# Altium PCB novena_evt1_a.PcbDoc (part 4 of 12) (continued)
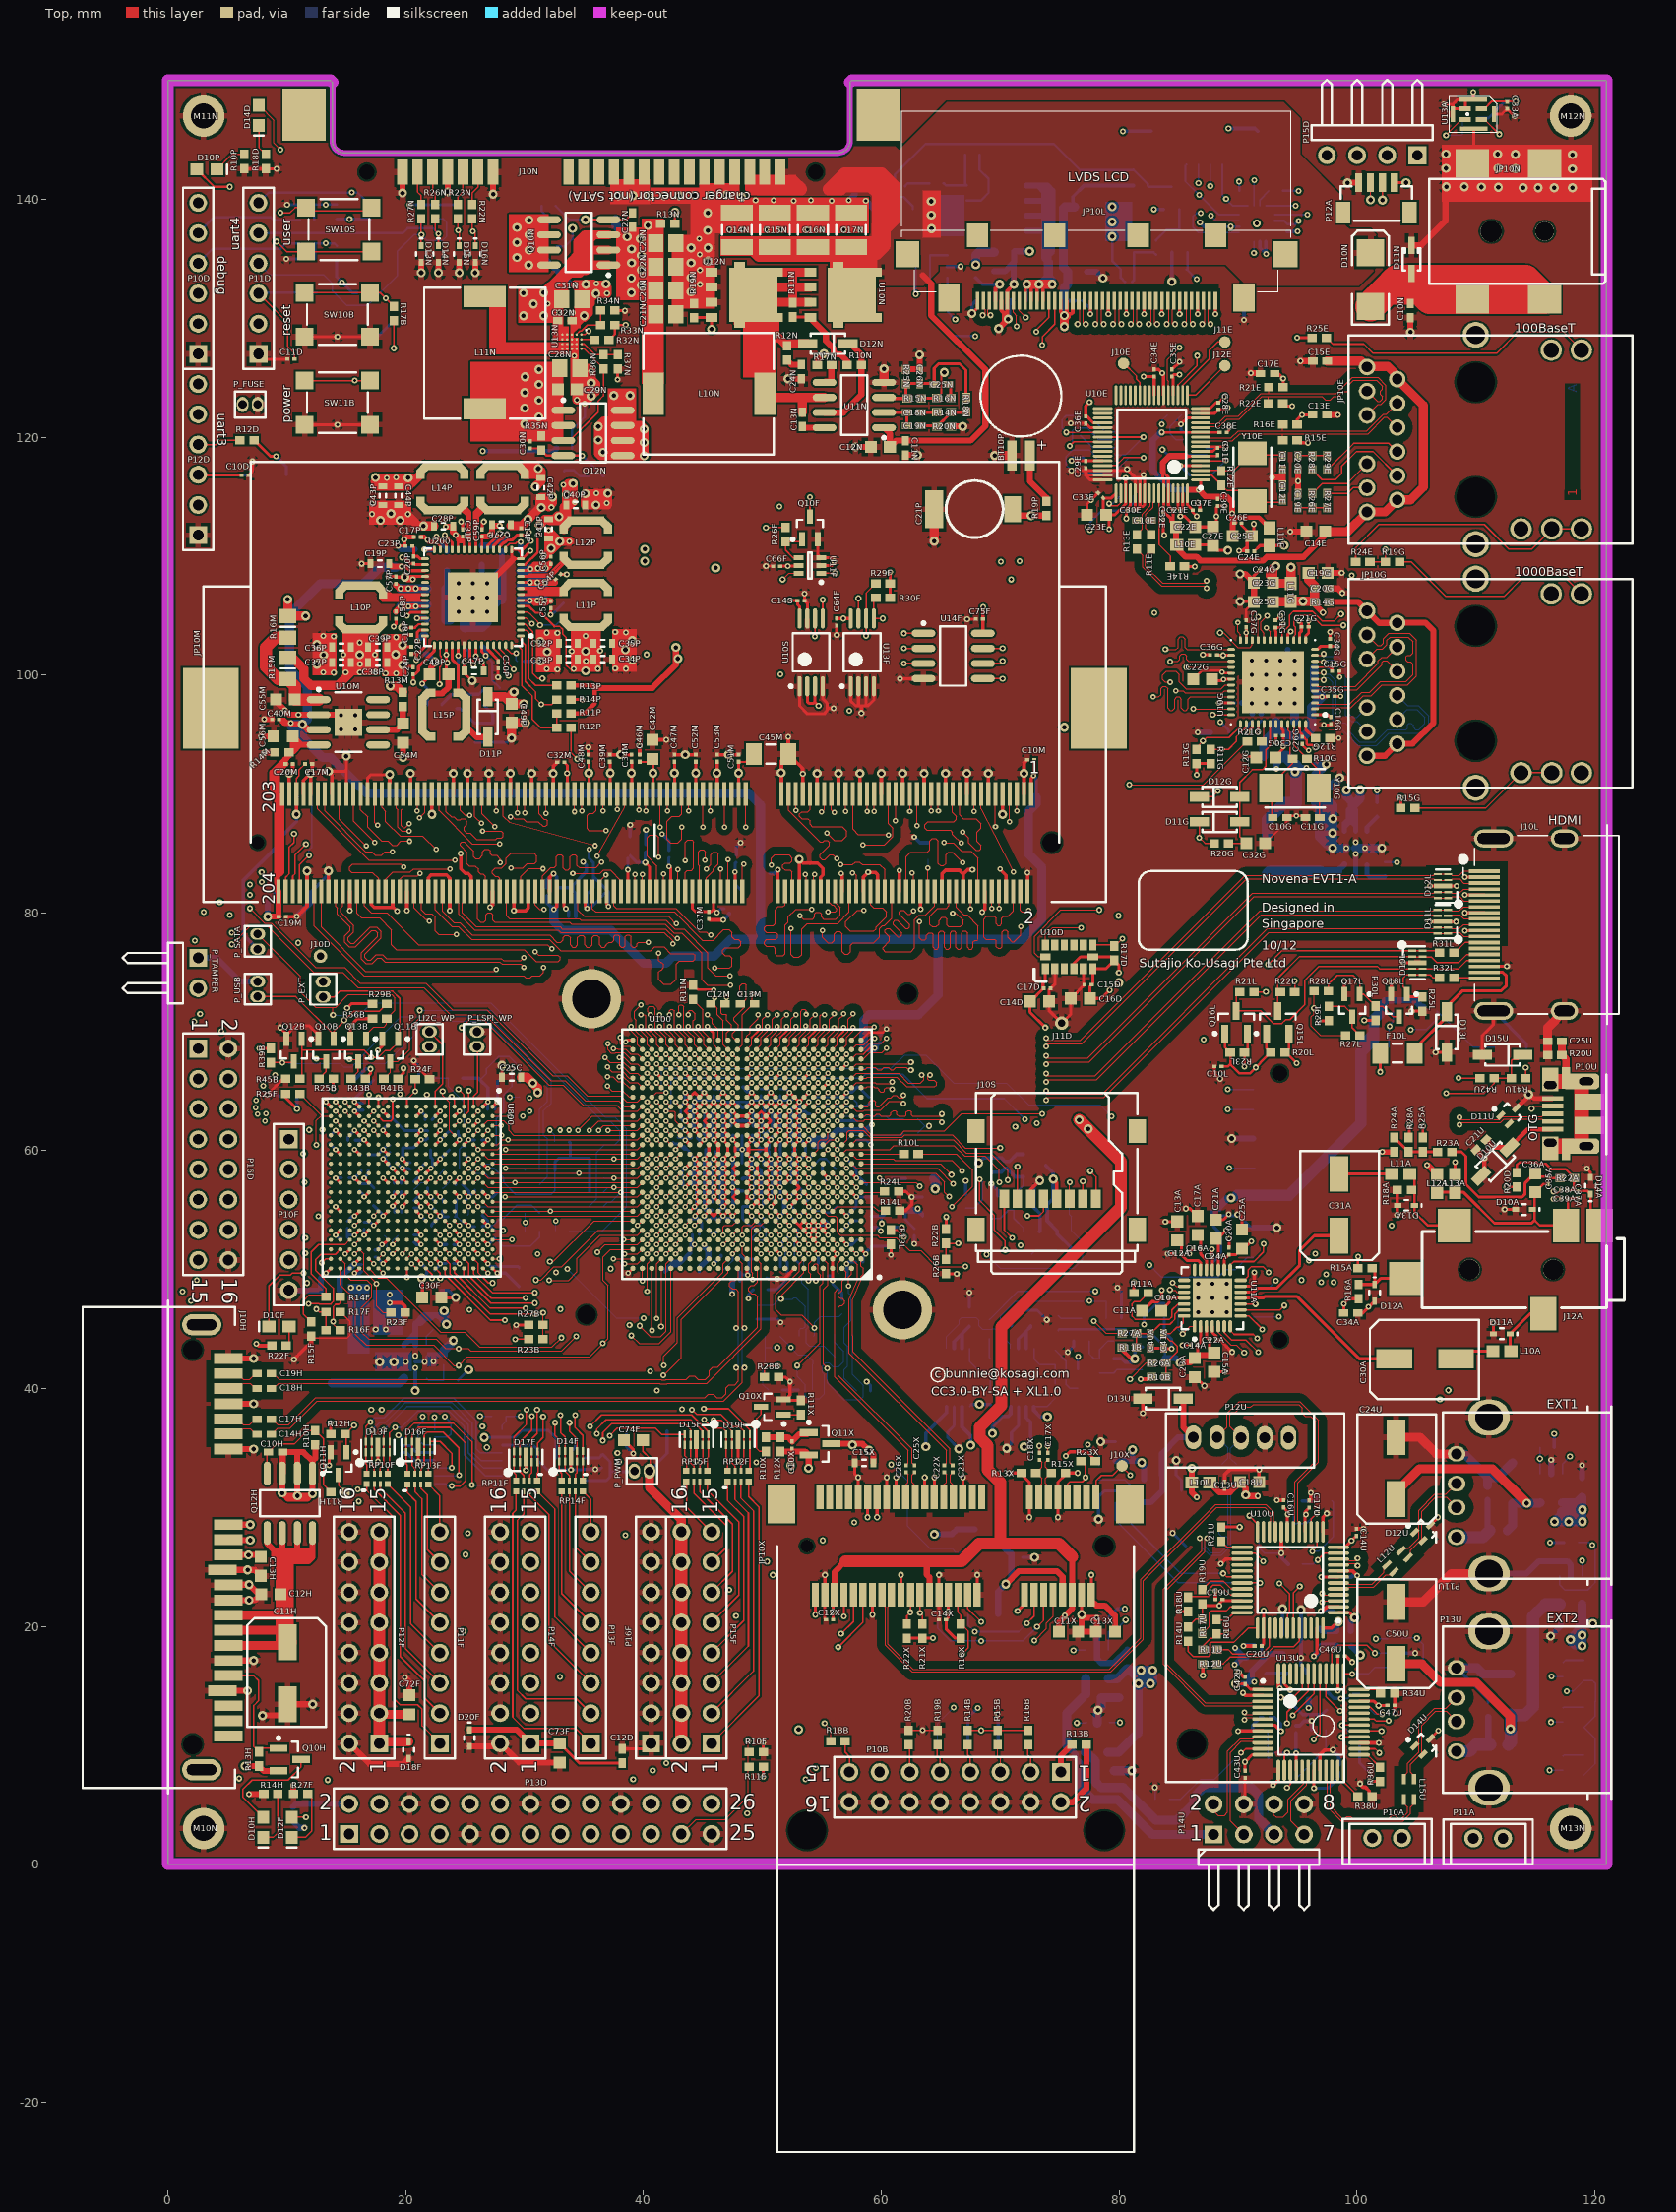
[diagram p0: Top view]
## Nets (pads, with @x,y where several pads share a name; then routed paths per layer and width w, separated by ;. In a path a pad name is that pad's centre, name@x,y a point inside that pad or via, vN(x,y) a via of type N, cw(c..) or ccw(c..) an arc to the next point about the centre after c; other vN are vias at no path point) (continued)
  Top w0.127: R28B.2@50.175,40.95 50.175,41.575 50.475,41.875 v1(51.3,41.875) ; v1(50.295,112.4) R26F.2@51.95,112.4
  L3 w0.102: P_TAMPER.2@2.54,73.66 4.535,73.66 6.425,75.55 9.025,75.55 v1(10.95,77.475)
  L3 w0.127: v1(1.925,47.35) 2.5,46.775 5.025,46.775 6.275,45.525 6.275,41.75 10.3,37.725 17.475,37.725 v1(17.975,38.225)
  L4 w0.102: v1(1.925,47.35) 1.45,47.35 0.697,48.103 0.697,71.817 P_TAMPER.2@2.54,73.66
  L4 w0.127: v1(17.975,38.225) 18.575,38.825 21.475,38.825 22.5,39.85 25.625,39.85 26.3,40.525 41.475,40.525 41.9,40.1 50.075,40.1 51.3,41.325 v1(51.3,41.875)
  L7 w0.127: v2(50.7,52.9) 50.3,52.5 50.3,49.1 49.325,48.125 48.843,48.125 48.431,47.713 48.431,47.219 50.675,44.975 50.675,42.5 v1(51.3,41.875)
  L8 w0.127: v1@10.95,77.5 10.2,78.25 10.2,80.571 9.675,81.096 9.675,85.725 10,86.05 10,88.55 10.725,89.275 12.006,89.275 21.031,98.3 25.15,98.3 27.744,100.894 29.406,100.894 31.25,99.05 32.845,99.05 33.27,99.475 37.731,99.475 37.906,99.65 49.1,99.65 49.85,100.4 49.85,111.955 v1(50.295,112.4)
CPU_TEST_MODE: R23B.1 R27B.2 U100.E12 | length 25.1
  Top w0.102: R23B.1@31.55,44.15 v1(31.55,46.375) ; U100.E12@49.5,53.3 v2(49.9,52.9)
  L4 w0.102: v1(31.55,46.375) 31.55,47.45 33.487,49.388 34.863,49.388 37.375,51.9 38.619,51.9 40,53.281 44.594,53.281 45.356,52.519 49.519,52.519 v2(49.9,52.9)
CPU_XTALI: C11B.1 R32B.1 R33B.1 U100.A7 Y10B.2 | length 10.8
  Top w0.102: v1(51.575,47.525) 51.575,47.8 53.5,49.725 U100.A7@53.5,50.1
  Bot w0.102: C11B.1@49.55,47.025 50.925,47.025 51.425,47.525 v1(51.575,47.525) 52.55,47.525 Y10B.2@52.675,47.65 52.825,47.65 53.6,46.875 53.6,45.2 53.45,45.05 53.25,45.05 53.1,44.9 R32B.1@53.1,44.4
CPU_XTALO: C12B.1 R32B.2 U100.B7 Y10B.1 | length 13
  Top w0.102: U100.B7@53.5,50.9 53.1,50.5 53.1,49.85 51.125,47.875 51.125,46.625 51.575,46.175 53.3,46.175 v1(54.375,45.1)
  Bot w0.102: R32B.2@54.3,44.4 54.375,44.475 v1(54.375,45.1) 54.375,45.55 Y10B.1@54.875,46.05 56.45,46.05 C12B.1@56.7,46.3
CSI_REXT: R13L.1 U100.D4 | length 8.1
  Top w0.102: U100.D4@55.9,52.5 v2(56.3,52.1)
  Top w0.127: R13L.1@60.825,53.325 61.325,53.325 v1(61.9,52.75)
  L8 w0.127: v2(56.3,52.1) 56.694,52.494 57.6,52.494 57.994,52.1 61.25,52.1 v1(61.9,52.75)
DDC_SCL: P13D.5 Q15L.2 R20L.2 U100.E22 U200.54 U800.U17 | length 376.6
  Top w0.102: U800.U17@14.5,50.9 14.925,50.475 14.925,49.55 15.35,49.125 16.738,49.125 17.156,48.706 17.156,47.681 16.275,46.8 16.275,44.75 16.875,44.15 22.55,44.15 23.35,43.35 v1(24.45,43.35) 25.25,43.35 25.45,43.15 33.1,43.15 v1(34.325,44.375) ; v2(41.1,52.9) U100.E22@41.5,53.3
  Top w0.127: U200.54@27.9,102.5 27.9,102.2 28.675,101.425 28.675,100.875 v1(29.075,100.475)
  Top w0.203: Q15L.2@94.3,69.85 94.3,68.6 R20L.2@93.95,68.25 94.025,68.25 v1(94.925,67.35)
  L3 w0.102: P13D.5@20.32,2.54 19,3.86 19,5.625 18.025,6.6 15.825,6.6 13.75,8.675 13.75,30.725 15.175,32.15 15.175,33.85 16.05,34.725 19.3,34.725 20.225,35.65 20.225,37.6 21.5,38.875 22.225,38.875 23.75,40.4 23.75,42.65 v1(24.45,43.35)
  L4 w0.102: v1(34.325,44.375) 33.325,45.375 33.05,45.375 32.225,46.2 32.225,47.425 33.5,48.7 38.5,48.7 39.3,49.5 39.3,51.975 39.844,52.519 40.719,52.519 v2(41.1,52.9)
  L7 w0.102: P13D.5@20.32,2.54 19.235,3.625 17.025,3.625 16.575,3.175 16.575,2.175 16.913,1.837 ; v1@29.11,100.475 27.8,100.475 26.8,99.475 26.8,95.679 25.971,94.85 19.021,94.85 14.596,90.425 5.975,90.425 1.775,86.225 1.775,80.075 1.1,79.4 1.1,49.1 3.115,47.085 3.69,47.085 5.085,45.69 5.085,5.99 9.6,1.475 16.55,1.475 16.913,1.837 ; v1(53.625,7.125) 47.65,1.15 17.6,1.15 16.913,1.837
  L8 w0.127: v1(53.625,7.125) 54.975,7.125 55.475,7.625 55.475,8.4 54.775,9.1 53.925,9.1 52.375,10.65 52.375,12.075 53.45,13.15 61,13.15 62.35,14.5 77.725,14.5 83.8,20.575 83.8,37.975 94.225,48.4 94.225,51.575 90.9,54.9 90.9,61.425 94.925,65.45 v1(94.925,67.35)
DDC_SCL_HV: D10L.2 D10L.9 J10L.15 Q15L.3 R22L.2 | length 21.4
  Top w0.127: Q15L.3@93.35,71.75 93.35,74.5 95.15,76.3 D10L.2@104.663,76.3 104.687,76.275 106.275,76.275 106.75,75.8 108.55,75.8 109.25,76.5 J10L.15@110.74,76.5
DDC_SDA: P13D.3 Q16L.2 R23L.2 U100.C25 U200.53 U800.U18 | length 356.7
  Top w0.102: U800.U18@14.5,50.1 14.5,48.725 15.775,47.45 15.775,44.543 16.668,43.65 22.343,43.65 24.068,41.925 v1(24.45,41.925) 25.175,42.65 35.475,42.65 37.025,44.2 37.025,48.675 36.6,49.1 36.6,51.075 37.225,51.7 U100.C25@39.1,51.7
  Top w0.127: U200.53@27.4,102.5 27.4,102.225 28.325,101.3 28.325,100.25 v1(28.65,99.925)
  Top w0.203: v1(90.55,67.075) R23L.2@90.55,68.25 90.8,68.5 Q16L.2@90.8,69.85
  L3 w0.102: v1(5.975,7.2) 12.175,7.2 13.4,8.425 ; P13D.3@17.78,2.54 16.45,3.87 16.45,5.375 13.4,8.425 ; v1(24.45,41.925) 25.025,42.5 25.025,44.3 24.575,44.75 23.85,44.75 23.075,43.975 23.075,40.4 21.9,39.225 21.2,39.225 19.925,37.95 19.925,35.875 19.25,35.2 15.975,35.2 14.825,34.05 14.825,32.295 13.4,30.87 13.4,8.425
  L7 w0.102: v1(5.975,7.2) 5.35,7.825 5.35,45.8 3.8,47.35 3.225,47.35 1.35,49.225 1.35,79.296 2.025,79.971 2.025,86.121 6.079,90.175 14.7,90.175 19.125,94.6 26.075,94.6 27.05,95.575 27.05,98.325 v1@28.675,99.95 ; P13D.3@17.78,2.54 18.87,1.45 47.575,1.45 50.025,3.9 50.025,5.198 52.902,8.075 v1(54.5,8.075)
  L8 w0.127: v1(54.5,8.075) 53.65,8.075 52,9.725 52,12.525 54.325,14.85 77.58,14.85 83.45,20.72 83.45,38.12 93.875,48.545 93.875,51.43 90.55,54.755 v1(90.55,67.075)
  other v1: 36.575,43.8
DDC_SDA_HV: D10L.4 D10L.7 J10L.16 Q16L.3 R21L.2 | length 26.6
  Top w0.127: R21L.2@90.15,73.35 89.85,73.05 Q16L.3@89.85,71.75 91.925,71.75 92.975,70.7 93.7,70.7 94.025,71.025 94.375,71.025 95.625,72.275 95.625,74.3 96.825,75.5 101.725,75.5 101.925,75.3 D10L.4@104.663,75.3 D10L.7@105.538,75.3 108.55,75.3 109.25,76 J10L.16@110.74,76
DDR3_A0: JP10M.98 U100.AC14 | length 28.2
  Top w0.096: JP10M.98@41.102,81.814 41.102,83.948 40.3,84.75 40.3,86.325 40.525,86.55 41.05,86.55 41.257,86.343 v2(41.257,84.695) v2@41.257,84.67 ; v2(47.5,68.1) U100.AC14@47.9,67.7
  L7 w0.096: v2@41.257,84.67 41.304,84.622 41.304,82.971 41.95,82.325 42.158,82.325 42.484,81.999 42.646,81.999 45.046,79.6 45.875,79.6 47.124,78.351 47.124,75.401 47.708,74.817 47.708,72.325 47.505,72.122 47.505,68.105 v2(47.5,68.1)
DDR3_A1: JP10M.97 U100.AB14 | length 28.2
  Top w0.096: v2(41.402,87.22) JP10M.97@41.402,90.014 ; v2(47.5,67.3) U100.AB14@47.9,66.9
  L7 w0.096: v2(41.402,87.22) 40.845,87.22 40.672,87.047 40.672,82.228 41.125,81.775 42.282,81.775 42.359,81.698 42.521,81.698 44.994,79.225 45.7,79.225 46.819,78.106 46.819,73.781 47.403,73.197 47.403,72.579 47.048,72.224 47.048,68.291 47.081,68.258 47.081,67.942 47.048,67.909 47.048,67.753 v2(47.5,67.3)
DDR3_A2: JP10M.96 U100.AA14 | length 28.5
  Top w0.096: JP10M.96@41.702,81.814 v2(41.702,83.284) ; v2(47.5,66.5) U100.AA14@47.9,66.1
  L7 w0.096: v2(41.702,83.284) 41.7,83.286 41.7,85.75 41.85,85.9 42.15,85.9 42.3,85.75 42.3,85.125 42.509,84.916 42.509,83.291 42.631,83.169 42.631,82.441 44.622,80.45 46.375,80.45 47.48,79.345 47.48,75.52 48.212,74.788 48.212,74.184 48.521,73.875 48.521,72.59 47.951,72.02 47.951,66.952 v2(47.5,66.5)
DDR3_A3: JP10M.95 U100.Y14 | length 30.1
  Top w0.096: v2(42.002,88.58) JP10M.95@42.002,90.014 ; v2(47.5,65.7) U100.Y14@47.9,65.3
  L8 w0.096: v2(42.002,88.58) 42.28,88.302 43.009,88.302 44.625,86.686 44.625,82.724 50.02,77.329 50.02,71.081 49.766,70.827 49.054,70.827 48.419,70.192 48.419,66.61 47.509,65.7 v2(47.5,65.7)
DDR3_A4: JP10M.92 U100.W14 | length 28.3
  Top w0.096: JP10M.92@42.9,81.8 42.9,83.658 v2(42.902,83.659) ; v2(47.5,64.9) U100.W14@47.9,64.5
  L7 w0.096: v2(42.902,83.659) 42.933,83.628 42.933,82.688 44.863,80.758 46.567,80.758 48.425,78.9 48.425,78.475 48.225,78.275 48.075,78.275 47.9,78.1 47.9,77.925 48.05,77.775 48.45,77.775 48.55,77.675 48.55,77.434 48.391,77.275 47.987,77.275 47.781,77.07 47.781,76.795 47.987,76.589 48.391,76.589 48.597,76.384 48.597,76.109 48.391,75.904 48.209,75.904 48.003,75.698 48.003,75.424 48.597,74.829 48.597,74.738 49.562,73.773 49.562,73.011 48.3,71.749 48.3,65.678 47.522,64.9 v2(47.5,64.9)
DDR3_A5: JP10M.91 U100.AE13 | length 28.3
  Top w0.096: v2(43.202,87.22) 43.202,86.202 42.875,85.875 42.25,85.875 41.975,86.15 41.975,87.7 42.4,88.125 43.025,88.125 43.202,88.302 JP10M.91@43.202,90.014 ; U100.AE13@48.7,69.3 48.7,69.634 48.953,69.887 48.953,70.446 49.628,71.121 v2(49.628,71.448)
  L8 w0.096: v2(43.202,87.22) 44.25,86.172 44.25,82.6 49.628,77.222 49.628,73.54 49.715,73.454 49.715,72.924 49.628,72.837 v2(49.628,71.448)
DDR3_A6: JP10M.90 U100.AC13 | length 28.3
  Top w0.096: JP10M.90@43.502,81.814 43.502,83.4 43.677,83.575 44.05,83.575 44.225,83.75 44.225,85.975 44.075,86.125 43.725,86.125 43.502,85.902 v2(43.502,84.406) ; U100.AC13@48.7,67.7 v2(49.1,68.1)
  L7 w0.096: v2(43.502,84.406) 43.825,84.082 43.825,82.914 45.067,81.672 46.946,81.672 49.385,79.234 49.385,74.941 50.197,74.129 50.197,72.757 49.1,71.66 v2(49.1,68.1)
DDR3_A7: JP10M.86 U100.Y13 | length 28.8
  Top w0.096: JP10M.86@44.702,81.814 44.702,83.924 44.625,84.001 44.625,85.15 44.775,85.3 45.025,85.3 45.194,85.131 v2@45.194,84.416 ; U100.Y13@48.7,65.3 v2(49.1,65.7)
  L7 w0.096: v2@45.194,84.416 44.787,84.009 44.787,83.044 45.219,82.612 47.276,82.612 49.994,79.894 49.994,75.781 50.95,74.825 50.95,71.875 50.809,71.734 50.809,70.092 49.486,68.769 49.486,66.086 v2(49.1,65.7)
  other v2: 45.168,84.416
DDR3_A8: JP10M.89 U100.AB13 | length 28.4
  Top w0.096: v2(43.802,88.58) JP10M.89@43.802,90.014 ; U100.AB13@48.7,66.9 v2(49.1,67.3)
  L7 w0.096: v2(43.802,88.58) 42.628,87.407 42.628,85.65 43,85.278 43,84.196 43.416,83.781 43.416,82.79 44.889,81.317 46.616,81.317 48.953,78.98 48.953,74.891 49.893,73.951 49.893,72.884 48.719,71.71 48.719,67.677 49.096,67.3 v2(49.1,67.3)
DDR3_A9: JP10M.85 U100.AE12 | length 28.8
  Top w0.096: v2(45.002,87.22) JP10M.85@45.002,90.014 ; U100.AE12@49.5,69.3 49.5,69.52 50.023,70.043 50.023,71.042 v2(50.428,71.448)
  L8 w0.096: v2(45.002,87.22) 45.002,85.801 45.222,85.581 45.513,85.581 46.12,86.188 46.411,86.188 46.605,85.994 46.605,85.703 45.852,84.951 45.549,84.647 45.549,84.356 45.743,84.162 46.034,84.162 46.192,84.32 46.63,84.32 47.215,83.735 47.215,83.034 47.009,82.829 46.151,82.829 45.945,82.623 45.945,82.349 46.151,82.143 47.009,82.143 47.215,81.937 47.215,81.585 50.675,78.125 50.675,74.53 50.428,74.283 v2(50.428,71.448)
DDR3_A10: JP10M.107 U100.AA15 | length 30.3
  Top w0.096: v2(36.1,84.775) 38.402,88.875 JP10M.107@38.402,90.014 ; v2(46.7,66.5) U100.AA15@47.1,66.1
  L7 w0.096: v2(36.1,84.775) 36.094,84.769 36.094,81.2 40.977,74 40.977,70.325 42.319,68.22 42.319,67.942 42.542,67.719 42.82,67.719 43.081,67.458 43.081,67.402 43.119,67.364 43.119,67.142 43.342,66.919 46.281,66.919 v2(46.7,66.5)
DDR3_A11: JP10M.84 U100.AC12 | length 29.1
  Top w0.096: v2(45.275,83.675) 45.65,84.05 45.65,84.875 45.875,85.1 46.175,85.1 46.3,84.975 46.3,84.1 45.875,83.675 45.875,83.525 45.3,82.95 JP10M.84@45.3,81.8 ; U100.AC12@49.5,67.7 v2(49.9,68.1)
  L7 w0.096: v2(45.275,83.675) 45.65,84.05 45.65,84.675 45.975,85 46.325,85 46.525,84.8 46.525,84.375 46,83.85 46,83.575 46.375,83.2 47.298,83.2 50.324,80.174 50.324,76.694 51.609,75.409 51.609,70.274 51.386,70.051 51.352,70.051 49.9,68.599 v2(49.9,68.1)
DDR3_A12: JP10M.83 U100.AD12 | length 28.9
  Top w0.096: v2(45.602,88.58) JP10M.83@45.602,90.014 ; U100.AD12@49.5,68.5 49.9,68.9 49.9,69.523 50.428,70.051 v2(50.428,70.432)
  L7 w0.096: v2(45.602,88.58) 44.63,88.58 44.3,88.25 44.3,86.779 43.925,86.404 43.288,86.404 43.083,86.198 43.083,85.924 43.288,85.718 44.094,85.718 44.3,85.512 44.3,83.023 45.168,82.155 47.022,82.155 49.689,79.488 49.689,75.286 50.6,74.375 50.6,72.347 50.045,71.792 50.045,70.815 v2(50.428,70.432)
DDR3_A13: JP10M.119 U100.AC17 | length 29.8
  Top w0.096: v2(34.802,88.58) JP10M.119@34.802,90.014 ; v2(45.1,68.1) U100.AC17@45.5,67.7
  L8 w0.096: v2(34.802,88.58) 34.802,87.034 34.925,86.911 34.925,84.905 35.719,84.111 35.719,83.313 35.925,83.107 35.999,83.107 36.205,82.901 36.205,82.627 35.999,82.421 34.999,82.421 34.793,82.216 34.793,81.941 34.999,81.736 35.514,81.736 35.719,81.53 35.719,78.422 41.486,72.655 42.806,72.655 43.633,71.829 43.93,71.829 44.153,71.606 44.153,70.274 ; 44.152,70.273 44.152,69.048 v2(45.1,68.1)
DDR3_A14: JP10M.80 U100.AA12 | length 28.3
  Top w0.096: JP10M.80@46.502,81.814 v2(46.502,83.692) ; U100.AA12@49.5,66.1 v2(49.9,66.5)
  L7 w0.096: v2(46.502,83.692) 46.667,83.857 47.861,83.857 48.222,83.495 48.513,83.495 48.695,83.677 48.986,83.677 49.18,83.483 49.18,83.192 48.602,82.614 48.602,82.323 48.796,82.129 49.087,82.129 49.665,82.707 49.956,82.707 50.15,82.513 50.15,82.222 49.823,81.895 49.572,81.644 49.572,81.353 49.766,81.159 50.057,81.159 50.162,81.264 50.453,81.264 50.731,80.987 50.731,76.796 52.433,75.094 52.433,74.55 52.075,74.192 52.075,73.933 52.433,73.575 52.433,70.268 50.646,68.481 50.465,68.481 50.278,68.294 50.278,67.123 49.9,66.745 v2(49.9,66.5)
DDR3_A15: JP10M.78 U100.Y12 | length 28.6
  Top w0.096: JP10M.78@47.102,81.814 v2(47.102,84.488) ; U100.Y12@49.5,65.3 v2(49.9,65.7)
  L7 w0.096: v2(47.102,84.488) 47.102,85.377 47.275,85.55 47.539,85.55 51.239,81.85 51.239,76.872 53.209,74.901 53.209,70.274 52.986,70.051 52.977,70.051 52.61,69.684 52.382,69.684 51.112,68.414 51.112,67.144 50.858,66.89 50.477,66.89 50.302,66.715 50.302,66.102 v2(49.9,65.7)
DDR3_BA0: JP10M.109 U100.AC15 | length 28.2
  Top w0.096: v2(37.802,88.677) JP10M.109@37.802,90.014 ; v2(46.7,68.1) U100.AC15@47.1,67.7
  L7 w0.096: v2(37.802,88.677) 37.802,86.648 38.15,86.3 38.15,86 37.904,85.754 37.904,83.552 40.107,81.349 42.444,81.349 44.94,78.853 45.526,78.853 46.413,77.966 46.413,77.4 46.225,77.212 46.225,76.888 46.413,76.7 46.413,72.452 46.7,72.165 v2(46.7,68.1)
DDR3_BA1: JP10M.108 U100.Y15 | length 30.1
  Top w0.096: v2(34.05,83.3) 36.35,83.3 36.65,83.6 37.2,83.6 38.1,82.7 JP10M.108@38.1,81.8 ; v2(46.7,65.7) U100.Y15@47.1,65.3
  L7 w0.096: v2(34.05,83.3) 40.164,74.161 40.164,70.375 41.258,68.481 41.481,68.258 41.481,68.087 41.519,68.05 41.519,67.942 41.742,67.719 41.849,67.719 41.888,67.681 42.058,67.681 42.281,67.458 42.281,67.288 42.319,67.249 42.319,67.142 42.542,66.919 42.65,66.919 42.687,66.881 42.858,66.881 43.081,66.658 43.081,66.487 43.119,66.45 43.119,66.342 43.342,66.119 43.449,66.119 43.487,66.081 46.319,66.081 v2(46.7,65.7)
DDR3_BA2: JP10M.79 U100.AB12 | length 28.3
  Top w0.096: v2(46.802,87.22) JP10M.79@46.802,90.014 ; U100.AB12@49.5,66.9 v2(49.9,67.3)
  L8 w0.096: v2(46.802,87.22) 46.802,88.152 47,88.35 47.525,88.35 47.717,88.158 47.717,84.178 48.318,83.577 48.318,81.825 51.34,78.802 51.34,72.224 50.832,71.716 50.832,69.988 50.279,69.435 50.279,67.708 49.9,67.329 v2(49.9,67.3)
DDR3_CAS: JP10M.115 U100.AE16 | length 28.3
  Top w0.096: JP10M.115@36.002,90.014 36.002,88.6 35.752,88.35 35.425,88.35 35.25,88.175 35.25,87.075 35.4,86.925 v2(36.85,86.925) ; v2(45.372,71.448) 45.777,71.042 45.777,70.7 46.3,70.177 U100.AE16@46.3,69.3
  L7 w0.096: v2(36.85,86.925) 37.523,86.252 37.523,83.501 39.987,81.037 42.288,81.037 44.127,79.198 44.127,76.694 43.746,76.313 43.746,73.062 44.978,71.829 44.99,71.829 v2(45.372,71.448)
DDR3_CK0_N: C12M.2 JP10M.103 U100.AE15 | length 29.2
  Top w0.083: v2(39.602,88.632) JP10M.103@39.602,90.014 ; C12M.2@46.514,72.075 46.514,71.563 46.6,71.478 46.922,71.478 47.005,71.395 47.005,70.975 47.4,70.58 47.4,70.275 47.005,69.88 47.005,69.396 U100.AE15@47.1,69.3 ; C12M.2@46.85,72.35 46.997,72.497 v2(46.997,72.884)
  L8 w0.089: v2(39.602,88.632) 39.725,88.755 39.725,89.375 40.15,89.8 40.825,89.8 41.333,89.292 41.333,88.454 42.43,87.357 42.43,84.853 41.155,83.577 41.155,82.512 42.833,80.834 44.516,80.834 46.83,78.52 46.83,75.013 46.655,74.838 46.655,73.226 v2(46.997,72.884)
DDR3_CK0_P: C12M.1 JP10M.101 U100.AD15 | length 29.3
  Top w0.083: v2(40.202,88.581) JP10M.101@40.202,90.014 ; v2(45.981,72.859) 45.981,72.198 46.21,71.97 46.21,71.437 46.7,70.946 46.7,68.9 U100.AD15@47.1,68.5
  L8 w0.089: v2(40.202,88.581) 40.055,88.728 40.055,89.238 40.287,89.47 40.688,89.47 41.003,89.156 41.003,87.847 41.203,87.647 41.672,87.647 42.1,87.22 42.1,84.989 40.825,83.714 40.825,82.375 42.696,80.504 44.379,80.504 46.5,78.383 46.5,75.15 46.325,74.975 46.325,73.203 v2(45.981,72.859)
DDR3_CK1_N: C13M.2 JP10M.104 U100.AE14 | length 30.4
  Top w0.083: JP10M.104@39.302,81.814 v2(39.302,83.223) ; U100.AE14@47.9,69.3 47.775,69.3 47.5,69.575 47.5,69.85 47.995,70.345 47.995,70.555 47.6,70.95 47.6,71.175 48.463,72.037 48.463,72.563 48.65,72.75 48.65,73.925 48.525,74.05 48.325,74.05 48.115,73.84 v2(48.115,73.163)
  L8 w0.089: v2(39.302,83.223) 39.5,83.421 39.5,83.725 39.005,84.22 38.487,84.22 38.13,83.863 38.13,83.52 38.5,83.15 38.5,82.825 38.13,82.455 38.13,82.112 39.606,80.636 39.606,77.536 42.317,74.825 43.079,74.825 46.029,71.875 48.025,71.875 48.475,72.325 48.475,72.854 48.165,73.163 v2(48.115,73.163)
DDR3_CK1_P: C13M.1 JP10M.102 U100.AD14 | length 30.4
  Top w0.083: JP10M.102@39.902,81.814 v2(39.902,83.239) ; U100.AD14@47.9,68.5 48.3,68.9 48.3,71.443 49.131,72.274 v2(49.131,73.189)
  L8 w0.089: v2(39.902,83.239) 39.83,83.31 39.83,83.862 39.142,84.55 38.35,84.55 37.8,84 37.8,81.975 39.275,80.5 39.275,77.4 42.18,74.495 42.942,74.495 45.892,71.545 48.162,71.545 48.805,72.188 48.805,72.863 v2(49.131,73.189)
DDR3_CKE0: JP10M.73 U100.Y11 | length 28.9
  Top w0.096: v2(48.602,87.22) JP10M.73@48.602,90.014 ; U100.Y11@50.3,65.3 v2(50.7,65.7)
  L7 w0.096: v2(48.602,87.22) 48.597,87.215 48.597,84.974 51.594,81.977 51.594,77.405 54.058,74.941 54.058,70.359 53.332,69.633 53.195,69.633 51.899,68.337 51.899,67.067 51.721,66.89 51.29,66.89 51.07,66.67 51.081,66.658 51.081,66.342 50.998,66.259 50.998,66.013 50.7,65.716 v2(50.7,65.7)
DDR3_CKE1: JP10M.74 U100.AA11 | length 29.8
  Top w0.096: JP10M.74@48.302,81.814 48.302,83.942 v2(48.445,84.085) ; U100.AA11@50.3,66.1 v2(50.7,66.5)
  L8 w0.096: v2(48.445,84.085) 48.699,84.085 49.114,83.67 49.405,83.67 49.807,84.071 50.098,84.071 50.292,83.877 50.292,83.586 49.102,82.396 49.102,82.105 49.296,81.911 49.587,81.911 50.873,83.198 51.164,83.198 51.358,83.004 51.358,82.713 50.715,82.069 50.072,81.426 50.072,81.135 50.266,80.941 50.556,80.941 51.054,81.439 51.345,81.439 51.647,81.137 51.647,68.786 51.119,68.258 51.119,66.92 v2(50.7,66.5)
DDR3_CS0: JP10M.114 U100.Y16 | length 29.8
  Top w0.096: JP10M.114@36.302,81.814 36.302,82.652 v2@36.85,83.2 ; v2(45.9,65.7) U100.Y16@46.3,65.3
  L8 w0.096: v2@36.85,83.2 36.85,82.475 36.975,82.35 36.975,81.65 37.139,81.486 37.347,81.486 37.523,81.31 37.523,81.077 37.365,80.919 36.446,80.919 36.252,80.726 36.252,80.048 36.761,79.54 38.039,79.54 38.245,79.334 38.245,79.059 38.039,78.854 36.4,78.854 36.194,78.648 36.194,78.374 36.4,78.168 36.769,78.168 36.975,77.962 36.975,77.825 41.575,73.225 43.379,73.225 44.99,71.614 44.99,70.065 45.498,69.557 45.498,66.178 45.9,65.777 v2(45.9,65.7)
  other v2: 36.825,83.175
DDR3_CS1: JP10M.121 U100.AD17 | length 29.8
  Top w0.096: v2(34.202,88.505) JP10M.121@34.202,90.014 ; v2(44.572,70.432) 44.572,70.051 45.1,69.523 45.1,68.9 U100.AD17@45.5,68.5
  L7 w0.096: v2(34.202,88.505) 35.425,87.282 35.425,87.075 36.866,85.634 36.866,83.966 36.425,83.525 36.425,82.475 39.4,79.5 42.95,79.5 43.249,79.201 43.249,77.111 42.591,76.453 42.591,71.29 42.814,71.067 42.896,71.067 43.136,70.827 44.127,70.827 44.522,70.432 v2(44.572,70.432)
DDR3_D0: JP10M.5 U100.AD2 | length 32.6
  Top w0.096: U100.AD2@57.5,68.5 57.9,68.9 58.523,68.9 59.051,69.428 v2(59.432,69.428) ; v2(71.402,88.577) JP10M.5@71.402,90.014
  L7 w0.096: v2(59.432,69.428) 59.432,69.698 59.9,70.166 59.9,70.496 60.269,70.865 60.438,70.865 60.752,70.551 60.92,70.551 61.039,70.67 61.039,70.839 60.725,71.153 60.725,71.321 60.865,71.462 63.278,71.462 64.98,73.163 66.326,73.163 67.135,73.972 67.135,74.212 67.135,74.46 67.301,74.625 67.548,74.625 67.788,74.625 68.495,75.331 68.495,75.5 68.435,75.56 68.435,75.729 68.553,75.848 68.722,75.848 68.782,75.788 68.951,75.788 69.501,76.338 69.501,76.746 70.695,77.94 70.695,85.648 70.87,85.824 71.144,85.824 71.32,85.999 71.32,86.233 71.144,86.408 70.87,86.408 70.695,86.583 70.695,86.879 71.381,87.565 71.381,88.556 v2(71.402,88.577)
DDR3_D1: JP10M.7 U100.AE2 | length 32.7
  Top w0.096: U100.AE2@57.5,69.3 58.646,70.446 v2@59.418,70.446 ; v2(70.802,87.672) JP10M.7@70.802,90.014
  L7 w0.096: v2@59.418,70.446 59.418,70.943 59.7,71.225 60.197,71.225 60.738,71.766 63.075,71.766 63.3,71.991 63.3,72.35 63.625,72.675 63.984,72.675 65.059,73.75 65.228,73.75 65.503,73.474 65.672,73.474 65.791,73.593 65.791,73.762 65.515,74.038 65.515,74.206 65.92,74.611 66.083,74.611 66.202,74.492 66.202,73.943 66.321,73.824 66.489,73.824 66.609,73.943 66.609,74.492 66.728,74.611 66.86,74.611 69.419,77.171 69.425,77.171 70.375,78.121 70.375,79.125 70.1,79.4 70.1,79.8 70.375,80.075 70.375,81.75 69.95,82.175 69.95,82.7 70.386,83.136 70.386,84.564 69.925,85.025 69.925,85.425 70.375,85.875 70.375,87.3 70.275,87.4 70.275,87.575 70.372,87.672 v2(70.802,87.672)
  other v2: 59.418,70.4
DDR3_D2: JP10M.15 U100.AC4 | length 32.7
  Top w0.096: U100.AC4@55.9,67.7 v2(56.3,68.1) ; JP10M.15@68.402,90.014 68.402,88.725 69.513,86.562 v2(71.125,83.425)
  L7 w0.096: v2(56.3,68.1) 56.689,67.711 57.328,67.711 58.412,68.462 59.223,69.023 59.573,69.023 60.027,69.477 60.027,69.602 60.261,69.836 60.637,69.836 61.92,71.119 63.367,71.119 65.056,72.808 66.427,72.808 71.125,77.506 v2(71.125,83.425)
DDR3_D3: JP10M.17 U100.AB4 | length 32.7
  Top w0.096: U100.AB4@55.9,66.9 v2(56.3,67.3) ; v2(67.802,88.533) JP10M.17@67.802,90.014
  L7 w0.096: v2(56.3,67.3) 55.887,67.713 55.887,68.312 56.3,68.725 56.3,68.979 56.496,69.175 56.75,69.175 56.9,69.325 56.9,69.85 56.75,70 56.581,70 56.409,70.172 56.409,72.187 58.656,74.433 59.418,74.433 68.125,83.141 68.125,86.4 67.861,86.665 67.538,86.665 67.363,86.84 67.363,87.073 67.538,87.249 68.966,87.249 69.141,87.424 69.141,87.658 68.966,87.833 68.254,87.833 68.079,88.008 68.079,88.256 v2(67.802,88.533)
DDR3_D4: JP10M.4 U100.AC1 | length 32.6
  Top w0.096: U100.AC1@58.3,67.7 58.501,67.7 59.037,68.236 60.055,68.236 v2(60.448,68.628) ; JP10M.4@71.702,81.814 71.702,80.209 71.838,80.072 72.27,80.072 v2(72.397,80.199)
  L7 w0.096: v2(60.448,68.628) 60.942,68.628 61.117,68.803 61.117,68.99 61.292,69.165 61.526,69.165 61.701,68.99 61.701,68.803 61.877,68.628 62.978,68.628 63.162,68.812 63.453,68.812 63.881,68.385 64.172,68.385 64.366,68.579 64.366,68.87 63.312,69.924 63.312,70.214 63.506,70.408 63.797,70.408 64.851,69.355 65.142,69.355 65.336,69.549 65.336,69.84 64.763,70.413 64.287,70.889 64.287,71.18 64.481,71.374 64.772,71.374 65.248,70.898 65.821,70.325 66.111,70.325 66.305,70.519 66.305,70.81 65.878,71.237 65.878,71.528 66.135,71.785 67.59,71.785 72.321,76.516 72.321,80.123 v2(72.397,80.199)
DDR3_D5: JP10M.6 U100.AD1 | length 32.6
  Top w0.096: U100.AD1@58.3,68.5 58.488,68.5 59.011,69.023 60.042,69.023 v2(60.448,69.428) ; JP10M.6@71.102,81.814 71.102,80.15 70.652,79.7 70.278,79.7 70.134,79.555 70.134,79.083 69.989,78.938 69.796,78.938 69.651,79.083 69.651,79.555 69.506,79.7 68.85,79.7 68.625,79.475 68.625,77.95 68.8,77.775 69.541,77.775 69.686,77.63 69.686,77.158 69.831,77.013 70.024,77.013 70.169,77.158 70.169,78.392 70.313,78.537 70.506,78.537 70.651,78.392 70.651,77.92 70.996,77.575 71.175,77.575 71.737,78.137 v2(71.737,78.828)
  L7 w0.096: v2(60.448,69.428) 60.992,69.428 62.226,70.661 63.342,70.661 64.98,72.3 67.012,72.3 71.737,77.024 v2(71.737,78.828)
DDR3_D6: JP10M.16 U100.AA5 | length 32.6
  Top w0.096: U100.AA5@55.1,66.1 v2(55.5,66.5) ; v2@65.234,85.889 66.047,85.889 66.758,85.178 67.546,85.178 68.13,84.593 68.13,81.842 JP10M.16@68.102,81.814
  L7 w0.096: v2(55.5,66.5) 55.1,66.901 55.1,68.312 55.633,68.845 55.633,71.843 58.605,74.814 58.833,74.814 59.214,75.195 59.214,75.475 59.773,76.034 60.561,76.034 63.736,79.209 63.736,81.573 63.911,81.749 64.517,81.749 64.692,81.924 64.692,82.158 64.517,82.333 63.911,82.333 63.736,82.508 63.736,82.815 65.006,84.085 65.006,85.66 v2@65.234,85.889
  other v2: 65.26,85.914
DDR3_D7: JP10M.18 U100.AE4 | length 32.7
  Top w0.096: U100.AE4@55.9,69.3 55.9,69.496 56.423,70.019 56.423,71.042 v2@56.828,71.448 ; v2(67.502,80.333) JP10M.18@67.502,81.814
  L7 w0.096: v2@56.828,71.448 v2(56.828,71.5) 56.828,72.174 58.656,74.002 59.443,74.002 64.523,79.082 65.932,79.082 66.65,79.8 66.65,81.125 68.55,83.025 68.55,86.4 68.7,86.55 69.025,86.55 69.25,86.325 69.25,82.525 67.502,80.777 v2(67.502,80.333)
DDR3_D8: JP10M.21 U100.AD5 | length 36
  Top w0.096: U100.AD5@55.1,68.5 55.5,68.9 55.5,69.523 56.028,70.051 v2(56.028,70.375) v2@56.028,70.432 ; JP10M.21@66.602,90.014 66.602,88.225 66.902,87.925 67.975,87.925 68.4,87.5 68.4,87.125 68.05,86.775 68.05,86 68.4,85.65 68.4,85.375 68.275,85.25 67.95,85.25 67.337,85.863 67.337,86.275 v2(66.834,86.778)
  L3 w0.096: v2@56.028,70.432 56.835,69.625 57.668,69.625 59.504,71.462 62.364,71.462 64.875,73.973 64.875,81.1 65.85,82.075 65.85,86.375 66.253,86.778 v2(66.834,86.778)
DDR3_D9: JP10M.23 U100.AB6 | length 36.1
  Top w0.096: U100.AB6@54.3,66.9 v2(54.7,67.3) ; JP10M.23@66.002,90.014 66.002,88.441 66.317,88.126 66.317,87.852 66.111,87.646 63.896,87.646 63.675,87.425 63.675,87.125 63.84,86.96 65.796,86.96 66.002,86.755 66.002,86.594 v2(66.707,85.889)
  L3 w0.096: v2(54.7,67.3) 54.7,67.557 55.1,67.956 55.1,68.642 55.531,69.074 57.543,69.074 59.626,71.157 62.618,71.157 65.234,73.773 65.234,80.709 66.225,81.7 66.225,85.406 v2(66.707,85.889)
DDR3_D10: JP10M.33 U100.AC7 | length 36.1
  Top w0.096: U100.AC7@53.5,67.7 v2(53.9,68.1) ; v2(63.002,87.339) JP10M.33@63.002,90.014
  L3 w0.096: v2(53.9,68.1) 54.287,68.487 54.287,69.607 54.056,69.838 54.056,71.988 55.41,73.341 57.741,73.341 61.653,77.253 61.653,81.637 61.447,81.842 60.679,81.842 60.473,82.048 60.473,82.322 60.679,82.528 61.815,82.528 62.021,82.734 62.021,83.008 61.879,83.15 60.743,83.15 60.473,83.42 60.473,83.694 60.754,83.975 61.953,83.975 62.084,84.105 62.084,84.38 61.878,84.586 60.679,84.586 60.473,84.791 60.473,85.066 60.679,85.271 61.877,85.271 62.083,85.477 62.083,85.751 61.877,85.957 61.859,85.957 61.653,86.163 61.653,86.761 62.231,87.339 v2(63.002,87.339)
DDR3_D11: JP10M.35 U100.AB5 | length 36.2
  Top w0.096: U100.AB5@55.1,66.9 v2(55.5,67.3) ; v2(62.402,88.533) JP10M.35@62.402,90.014
  L3 w0.096: v2(55.5,67.3) 55.856,66.944 ; 55.856,66.919 57.425,66.919 57.837,67.087 61.053,68.2 66.961,74.108 66.961,82.333 67.25,82.621 67.25,87.937 65.662,89.525 63.394,89.525 v2(62.402,88.533)
DDR3_D12: JP10M.22 U100.AE5 | length 36.2
  Top w0.096: U100.AE5@55.1,69.3 55.1,69.549 55.623,70.072 55.623,71.042 v2@56.028,71.448 ; v2(63.228,79.259) 63.228,77.872 63.375,77.725 63.65,77.725 63.775,77.85 63.775,78.075 64,78.3 64.225,78.3 64.349,78.176 64.349,77.083 64.494,76.938 64.687,76.938 64.831,77.083 64.831,78.317 64.976,78.462 65.169,78.462 65.314,78.317 65.314,77.083 65.459,76.938 65.652,76.938 65.797,77.083 65.797,78.317 65.941,78.462 66.135,78.462 66.279,78.317 66.279,77.083 66.424,76.938 66.617,76.938 66.762,77.083 66.762,78.317 66.907,78.462 67.1,78.462 67.244,78.317 67.244,77.083 67.389,76.938 67.582,76.938 67.727,77.083 67.727,77.555 67.872,77.7 68.075,77.7 68.15,77.775 68.15,78.9 67.225,79.825 66.93,79.825 66.302,80.453 JP10M.22@66.302,81.814
  L3 w0.096: v2@56.028,71.448 v2(56.028,71.5) 56.028,71.984 56.192,72.147 57.919,72.147 62.923,77.151 62.923,77.964 63.405,78.447 63.405,79.082 v2(63.228,79.259)
DDR3_D13: JP10M.24 U100.AA6 | length 36
  Top w0.096: U100.AA6@54.3,66.1 v2(54.7,66.5) ; JP10M.24@65.7,81.8 65.7,80.6 65.475,80.375 64.744,80.375 64.075,79.706 64.075,79.025 64.275,78.825 64.625,78.825 64.85,79.05 64.85,79.35 65.125,79.625 65.375,79.625 65.525,79.475 65.525,78.95 65.65,78.825 66.65,78.825 66.875,79.05 66.875,79.375 66.279,79.971 v2(66.003,79.971) ; JP10M.24@65.702,81.8 JP10M.24@65.702,81.814
  L3 w0.096: v2(54.7,66.5) 55.089,66.89 55.089,67.489 55.303,67.702 57.944,67.702 59.265,69.023 61.018,69.023 62.11,70.115 62.542,70.115 66.45,74.024 66.45,74.547 66.305,74.691 66.036,74.691 65.891,74.836 65.891,75.029 66.036,75.174 66.515,75.174 66.66,75.319 66.66,75.512 66.515,75.657 66.036,75.657 65.891,75.801 65.891,75.994 66.036,76.139 66.515,76.139 66.66,76.284 66.66,76.477 66.515,76.622 66.036,76.622 65.891,76.766 65.891,76.96 66.036,77.104 66.515,77.104 66.66,77.249 66.66,77.442 66.515,77.587 66.036,77.587 65.891,77.732 65.891,77.925 66.036,78.07 66.515,78.07 66.66,78.214 66.66,78.407 66.45,78.617 66.45,79.524 v2(66.003,79.971)